# Altium PCB radxa_cm4_io_v1.10.PcbDoc (part 7 of 8)
Units mil, origin at the board's own origin, x right, y up, seen from the top; angles counter-clockwise.
Board outline 6299.62 x 3544.12 mil, 4 copper layers (Top, GND, Power, Bottom), stack 35.4 mil thick; 509 components, 417 nets, 1867 pads, 2150 vias.
Unrouted connection lines stored in the file: 1451.
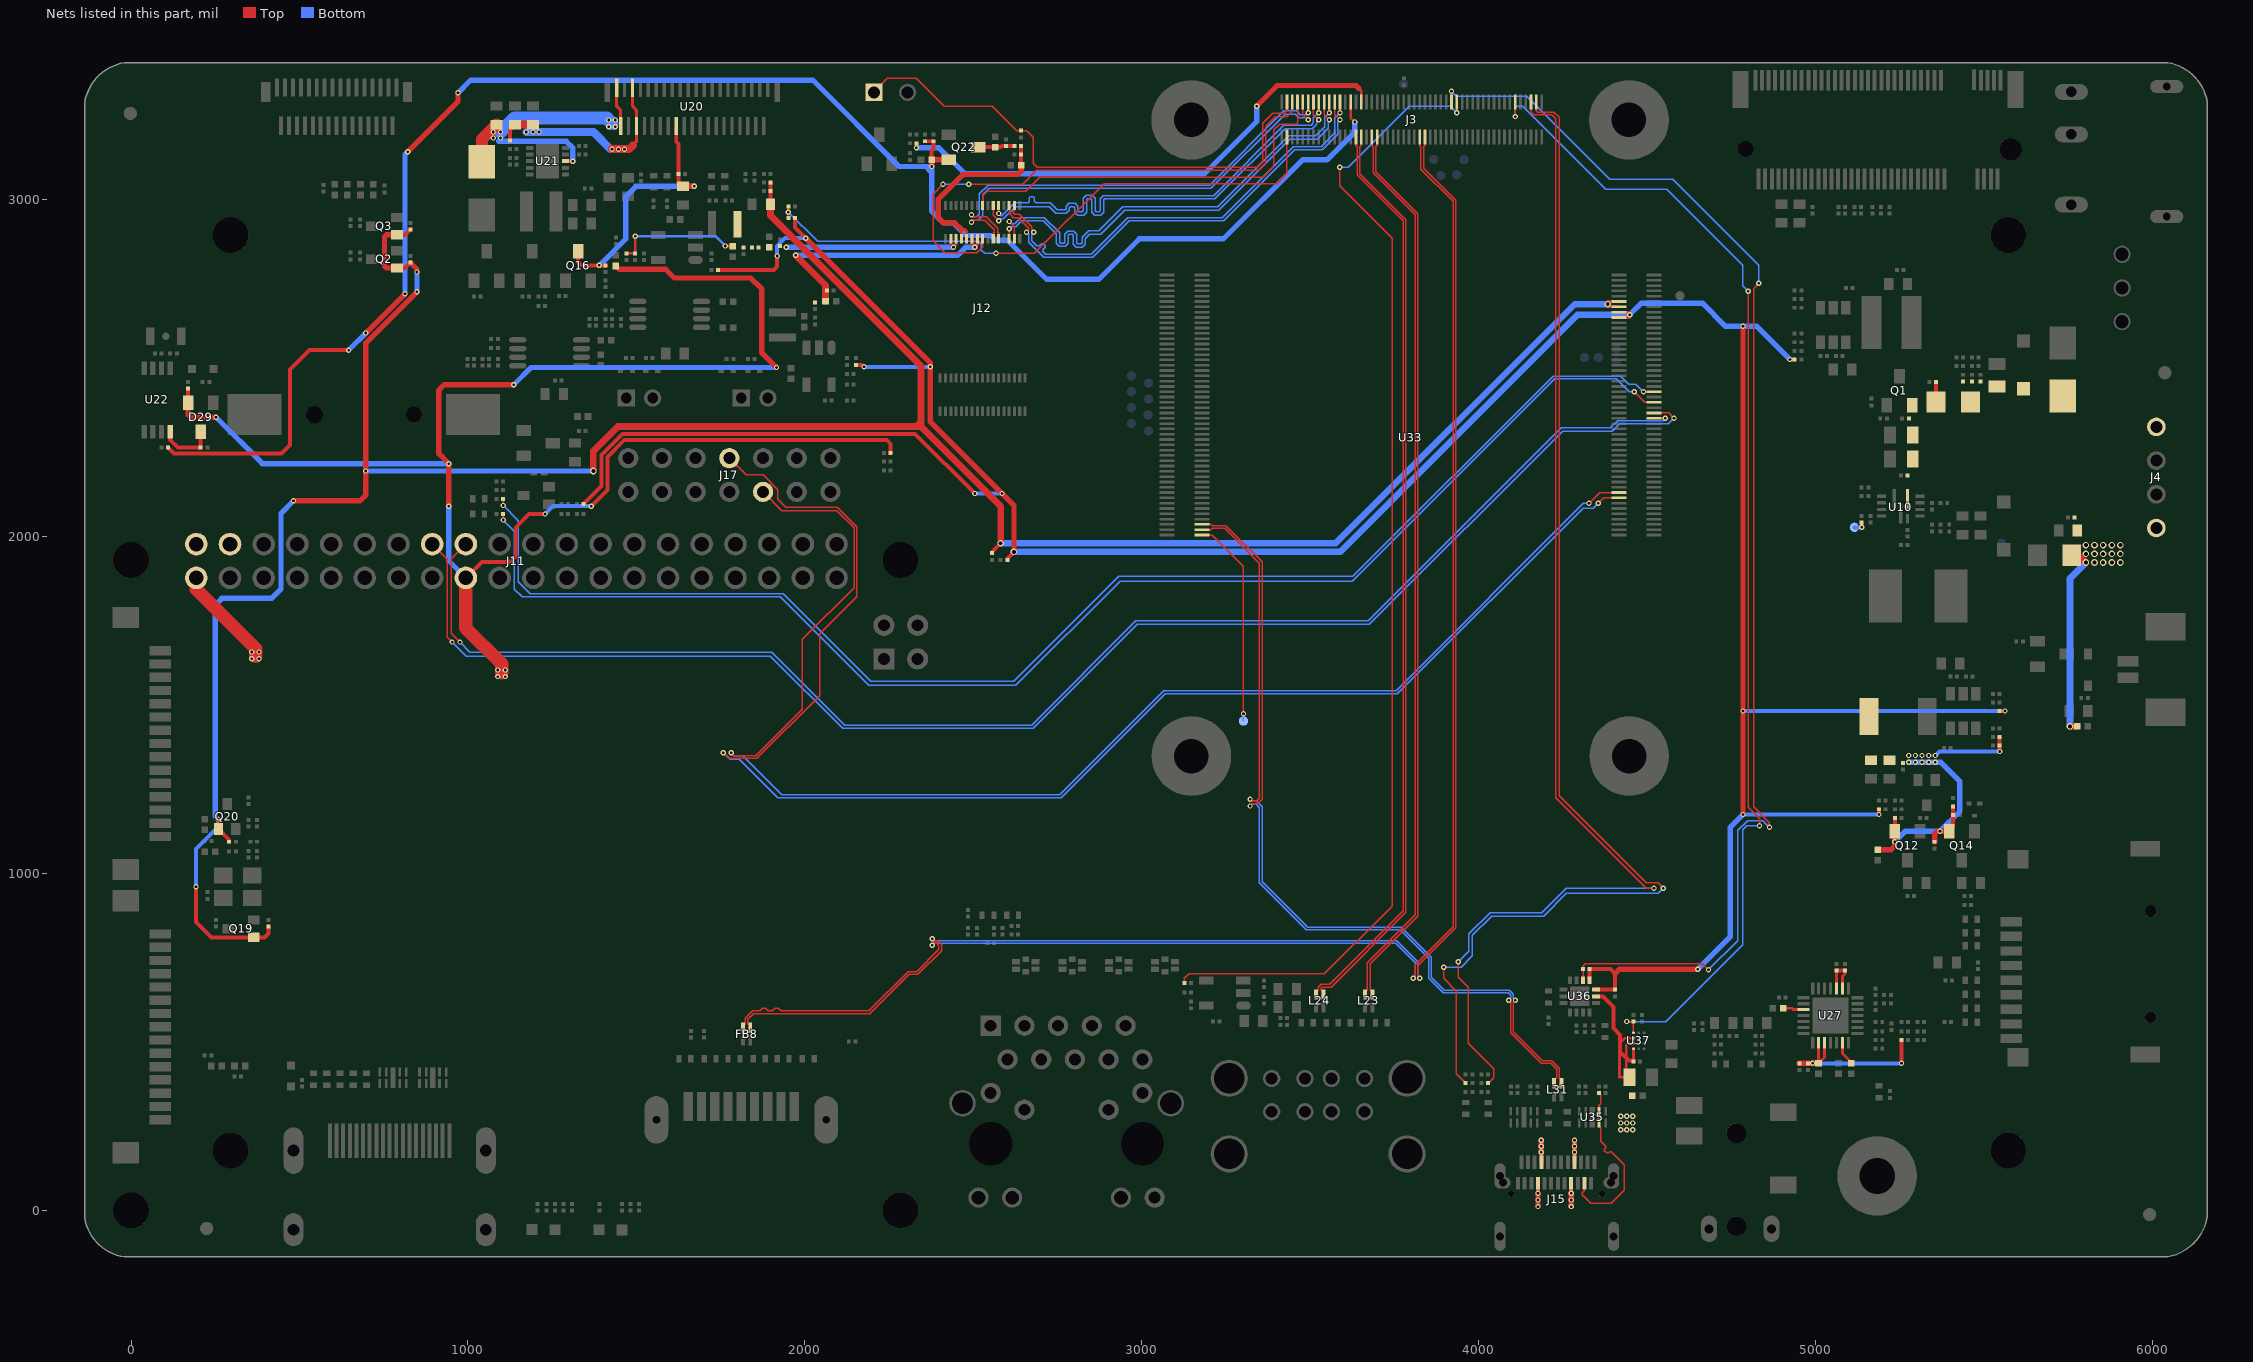
[diagram p9: the nets of this part, all layers, seen from the top]

## Via types
v1: diameter 15.75, hole 7.87, Top to Bottom, 2047 vias
v2: diameter 19.68, hole 11.81, Top to Bottom, 103 vias

## Nets (pads, with @x,y where several pads share a name; then routed paths per layer and width w, separated by ;. In a path a pad name is that pad's centre, name@x,y a point inside that pad or via, vN(x,y) a via of type N, cw(c..) or ccw(c..) an arc to the next point about the centre after c; other vN are vias at no path point) (continued)
TYPEC0TX2P: C254.2 J15.B2 U35.4 U35.7 | length 528.1
  Top w3.94: J15.B2@4312.99,80.71 4312.99,59.06 4307.09,53.15 4307.09,46.57 4332,21.65 4392.41,21.65 4431.1,60.35 4431.1,136.5 4392.63,174.98 4387.52,174.98 4383.5,170.96 4379.32,170.96 4372.36,177.92 4372.36,182.09 4376.85,186.58 4376.85,190.76 4362.2,205.4 4362.2,245.08 4356.29,250.99 U35.4@4356.29,260.34 U35.7@4356.29,294.78 4356.29,311.02 4362.2,316.93 4362.2,342.52 C254.2@4356.3,348.43
TYPEC5V_PWREN_H: J3.11 R355.1 U37.D3 | length 3514.4
  Top w3.94: v1(4107.48,3246.46) 4107.48,3279.1 J3.11@4107.48,3289.77 ; v1(4438.98,561.02) R355.1@4458.66,561.02 U37.D3@4458.66,527.56 ; v1(4799.21,2728.35) 4799.21,1196.85 4832.68,1163.39 v1(4832.68,1141.73)
  Bottom w3.94: v1(4107.48,3246.46) 4107.48,3273.62 4111.42,3277.56 4129.92,3277.56 4375.98,3031.5 4557.09,3031.5 4783.46,2805.12 4783.46,2744.09 v1(4799.21,2728.35) ; v1(4438.98,561.02) 4555.12,561.02 4783.46,789.37 4783.46,1129.92 4795.28,1141.73 v1(4832.68,1141.73)
TYPEC_DPTX_AUX_PUPDCTL1: J3.5 R338.1 | length 3640.9
  Top w3.94: v1(3938.98,738.19) 3938.98,692.91 3968.5,663.39 3968.5,496.06 4043.31,421.26 4043.31,393.7 R338.1@4027.56,377.95 ; J3.5@4154.72,3279.5 4154.72,3259.84 4162.6,3251.97 4216.54,3251.97 4228.35,3240.16 4228.35,1224.41 4496.06,956.69 v1(4519.68,956.69) ; J3.5@4154.73,3279.5 J3.5@4154.73,3289.77
  Bottom w3.94: v1(3938.98,738.19) 3970.47,769.69 3970.47,820.87 4033.46,883.86 4187.01,883.86 4259.84,956.69 v1(4519.68,956.69)
TYPEC_DPTX_AUX_PUPDCTL2: J3.3 R339.1 | length 3693.8
  Top w3.94: v1(3895.67,722.44) 3895.67,688.98 3933.07,651.57 3933.07,405.51 R339.1@3960.63,377.95 ; J3.3@4170.47,3279.9 4170.47,3263.78 4174.41,3259.84 4222.44,3259.84 4238.19,3244.09 4238.19,1230.32 4496.06,972.44 4531.5,972.44 v1(4547.24,956.69) ; J3.3@4170.48,3279.9 J3.3@4170.48,3289.77
  Bottom w3.94: v1(3895.67,722.44) 3946.85,722.44 3980.32,755.91 3980.32,816.93 4037.4,874.02 4192.91,874.02 4259.84,940.94 4531.5,940.94 v1(4547.24,956.69)
UART0_RX_M0_DEBUG: R274.2 U33.51 | length 4142.5
  Top w3.94: v1(1104.33,2049.21) R274.2@1104.33,2066.93 ; v1(4461.02,2429.92) 4492.52,2398.43 U33.51@4520.08,2398.43
  Bottom w3.94: v1(1104.33,2049.21) 1137.8,2015.75 1137.8,1844.49 1161.42,1820.87 1927.17,1820.87 2188.98,1559.06 2625.98,1559.06 2935.04,1868.11 3624.02,1868.11 4224.41,2468.5 4407.48,2468.5 4446.06,2429.92 v1(4461.02,2429.92)
UART0_TX_M0_DEBUG: R273.2 U33.55 | length 4152
  Top w3.94: v1(1104.33,2092.52) R273.2@1104.33,2112.2 ; v1(4488.19,2429.92) U33.55@4520.08,2429.92
  Bottom w3.94: v1(1104.33,2092.52) 1149.61,2047.24 1149.61,1865.98 1184.87,1830.71 1935.04,1830.71 2194.88,1570.87 2620.08,1570.87 2931.1,1881.89 3626.27,1881.89 4220.76,2476.38 4420.43,2476.38 4444.05,2452.76 4465.35,2452.76 v1(4488.19,2429.92)
UART5_RX_M0_1V8: J17.8 U33.16 | length 4476.2
  Top w3.94: v1(1757.87,1358.27) 1773.62,1342.52 1857.59,1342.52 2043.31,1528.23 2043.31,1711.92 2153.54,1822.16 2153.54,2028.85 2095.78,2086.61 1943.59,2086.61 1919.29,2110.91 1919.29,2139.75 1875.97,2183.07 1825.2,2183.07 J17.8@1775.59,2232.68 ; v1(4354.33,2099.21) 4370.08,2114.96 U33.16@4415.35,2114.96
  Bottom w3.94: v1(1757.87,1358.27) 1777.56,1338.58 1805.12,1338.58 1919.29,1224.41 2759.84,1224.41 3068.9,1533.46 3757.87,1533.46 4309.06,2084.65 4339.76,2084.65 v1(4354.33,2099.21)
UART5_TX_M0_1V8: J17.9 U33.18 | length 4243
  Top w3.94: v1(1781.5,1358.27) 1789.37,1350.39 1854.33,1350.39 1992.13,1488.19 1992.13,1694.88 2145.67,1848.43 2145.67,2025.59 2094.49,2076.77 1931.5,2076.77 J17.9@1875.59,2132.68 ; v1(4326.77,2099.21) 4358.27,2130.71 U33.18@4415.35,2130.71
  Bottom w3.94: v1(1781.5,1358.27) 1789.37,1350.39 1814.96,1350.39 1931.1,1234.25 2755.91,1234.25 3064.96,1543.31 3753.94,1543.31 4309.84,2099.21 v1(4326.77,2099.21)
UART7_RX_M0: J11.18 U33.45 | length 4407.7
  Top w3.94: v1(976.38,1687.01) 950.79,1712.6 950.79,1934.65 J11.18@993.7,1977.56 ; U33.45@4520.08,2351.18 v1(4553.15,2351.18)
  Bottom w3.94: v1(976.38,1687.01) 1005.91,1657.48 1901.57,1657.48 2118.11,1440.94 2673.23,1440.94 2982.28,1750 3671.26,1750 4244.09,2322.83 4389.76,2322.83 4411.42,2344.49 4546.46,2344.49 v1(4553.15,2351.18)
UART7_TX_M0: J11.16 U33.47 | length 4493.3
  Top w3.94: J11.16@893.7,1977.56 938.98,1932.28 938.98,1700.79 v1(952.76,1687.01) ; U33.47@4520.08,2366.93 4562.99,2366.93 v1(4578.74,2351.18)
  Bottom w3.94: v1(952.76,1687.01) 994.09,1645.67 1897.64,1645.67 2112.2,1431.1 2677.17,1431.1 2986.22,1740.16 3675.2,1740.16 4248.03,2312.99 4395.67,2312.99 4417.32,2334.65 4562.2,2334.65 v1(4578.74,2351.18)
UFS_FSPI_PLUG: J2.1 J3.97 R15.1 | length 1558.8
  Top w3.94: J2.1@2204.72,3318.5 2204.72,3320.87 2244.09,3360.24 2330.71,3360.24 2413.39,3277.56 2555.12,3277.56 2627.95,3204.72 R15.1@2641.73,3204.72 2657.48,3204.72 2677.17,3185.04 2677.17,3108.27 2688.98,3096.46 3340.55,3096.46 3358.27,3114.17 3358.27,3226.38 3387.8,3255.91 3421.26,3255.91 3430.32,3264.96 3430.32,3279.8 J3.97@3430.32,3289.77
UFS_REFCLK: J3.93 J12.42 | length 1178.7
  Top w3.94: J12.42@2527.17,2982.28 2527.17,3011.81 2540.94,3025.59 2655.51,3025.59 2696.85,3066.93 3360.24,3066.93 3391.73,3098.43 3391.73,3206.69 3409.45,3224.41 3457.87,3224.41 3461.81,3228.35 3461.81,3279.8 J3.93@3461.82,3289.77
UFS_RSTN: J3.95 J12.57 | length 1591.5
  Top w3.94: v1(2409.45,3045.28) 2379.92,3015.75 2379.92,2877.95 2415.35,2842.52 2509.84,2842.52 2527.17,2859.84 J12.57@2527.17,2883.86 ; v1(2486.22,3045.28) 2645.67,3045.28 2687.01,3086.61 3346.46,3086.61 3368.11,3108.27 3368.11,3218.5 3395.67,3246.06 3430.32,3246.06 3446.06,3261.81 3446.06,3278.3 J3.95@3446.07,3289.77
  Bottom w3.94: v1(2409.45,3045.28) v1(2486.22,3045.28)
UFS_RX_D0N: J3.83 J12.62 | length 1334.3
  Top w3.94: J12.62@2605.91,2883.86 2605.91,2913.39 v1(2606.3,2913.39) ; J3.83@3540.56,3289.77 3540.55,3252.36 v1(3556.3,3236.61)
  Bottom w3.94: v1(2606.3,2913.39) 2612.2,2919.29 2625.98,2919.29 2643.7,2937.01 2706.69,2937.01 2745.6,2898.11 2745.6,2869.94 2754.31,2861.22 2772.31,2861.22 2781.03,2869.94 2781.03,2893.7 2783.98,2896.65 2793.82,2896.65 2796.78,2893.7 2796.78,2867.97 2805.49,2859.25 2823.49,2859.25 2832.21,2867.97 2832.21,2883.86 2845.47,2897.12 2877.44,2897.12 2948.82,2968.5 3228.49,2968.5 3439.12,3179.13 3519.69,3179.13 3552.17,3211.61 3552.17,3232.48 v1(3556.3,3236.61)
UFS_RX_D0P: J3.81 J12.63 | length 1343.1
  Top w3.94: v1(2606.3,2935.04) 2621.65,2919.69 J12.63@2621.65,2883.86 ; v1(3556.3,3258.27) J3.81@3556.3,3289.77
  Bottom w3.94: v1(2606.3,2935.04) 2612.2,2929.13 2621.91,2929.13 2639.62,2946.85 2639.76,2946.85 2710.77,2946.85 2755.44,2902.18 2755.44,2874.02 2758.39,2871.06 2768.23,2871.06 2771.19,2874.02 2771.19,2897.78 2779.9,2906.5 2797.9,2906.5 2806.62,2897.78 2806.62,2872.05 2809.57,2869.09 2819.41,2869.09 2822.37,2872.05 2822.37,2887.94 2841.4,2906.96 2871.53,2906.96 2942.91,2978.35 3224.41,2978.35 3435.04,3188.98 3515.61,3188.98 3542.32,3215.69 3542.32,3244.29 v1(3556.3,3258.27)
UFS_RX_D1N: J3.91 J12.59 | length 1344.8
  Top w3.94: v1(2494.09,2933.07) 2500,2938.98 2533.92,2938.98 2561.61,2911.28 2561.61,2902.56 2558.66,2899.61 J12.59@2558.66,2883.86 ; J3.91@3477.56,3289.77 3477.56,3252.36 v1(3493.31,3236.61)
  Bottom w3.94: v1(2494.09,2933.07) 2500,2938.98 2513.78,2938.98 2527.56,2952.76 2527.56,3013.78 2547.24,3033.46 3204.86,3033.46 3425.34,3253.94 3454.58,3253.94 3466,3242.52 3487.4,3242.52 v1(3493.31,3236.61)
UFS_RX_D1P: J3.89 J12.60 | length 1332.9
  Top w3.94: v1(2494.09,2954.72) 2500,2948.82 2537.99,2948.82 2571.46,2915.35 2571.46,2902.56 2574.41,2899.61 J12.60@2574.41,2883.86 ; v1(3493.31,3258.27) J3.89@3493.31,3289.77
  Bottom w3.94: v1(2494.09,2954.72) 2500,2948.82 2509.7,2948.82 2517.72,2956.83 2517.72,3015.75 2517.72,3017.86 2543.17,3043.31 3200.79,3043.31 3421.26,3263.78 3458.66,3263.78 3470.08,3252.36 3487.4,3252.36 v1(3493.31,3258.27)
UFS_TX_D0N: J3.79 J12.37 | length 1337.9
  Top w3.94: J12.37@2605.91,2982.28 2605.91,2966.54 2608.86,2963.58 2608.86,2956.69 2618.7,2946.85 2631.75,2946.85 2663.39,2915.21 2663.39,2909.45 v1(2657.48,2903.54) ; J3.79@3572.05,3289.76 3572.05,3252.36 v1(3587.8,3236.61)
  Bottom w3.94: v1(2657.48,2903.54) 2663.39,2897.64 2663.39,2873.88 2708.52,2828.74 2853.42,2828.74 2961.68,2937.01 3242.27,2937.01 3452.9,3147.64 3535.43,3147.64 3581.69,3193.9 3581.69,3230.51 v1(3587.8,3236.61)
UFS_TX_D0P: J3.77 J12.36 | length 1327.9
  Top w3.94: J12.36@2621.65,2982.28 2621.65,2966.54 2618.7,2963.58 2618.7,2960.77 2622.78,2956.69 2635.83,2956.69 2673.23,2919.29 2673.23,2909.45 v1(2679.13,2903.54) ; v1(3587.8,3258.27) J3.77@3587.8,3289.77
  Bottom w3.94: v1(2679.13,2903.54) 2673.23,2897.64 2673.23,2877.95 2688.01,2863.17 2695.91,2863.17 2702.4,2869.66 2706.57,2869.66 2713.53,2862.7 2713.53,2858.53 2706.17,2851.16 2706.17,2846.98 2714.57,2838.58 2849.34,2838.58 2957.61,2946.85 3238.19,2946.85 3448.82,3157.48 3531.36,3157.48 3571.85,3197.97 3571.85,3242.32 v1(3587.8,3258.27)
UFS_TX_D1N: J3.87 J12.40 | length 1346.4
  Top w3.94: J12.40@2558.66,2982.28 2558.66,2953.15 v1(2574.8,2937.01) ; J3.87@3509.06,3289.77 3509.06,3252.36 v1(3524.8,3236.61)
  Bottom w3.94: v1(2574.8,2937.01) 2580.71,2942.91 2588.58,2942.91 2625,2979.33 2724.34,2979.33 2744.02,2959.65 2775.73,2959.65 2784.45,2968.36 2784.45,2976.38 2787.4,2979.33 2797.24,2979.33 2800.2,2976.38 2800.2,2962.46 2808.92,2953.74 2826.91,2953.74 2835.63,2962.46 2835.63,3000 2838.58,3002.95 2848.43,3002.95 2851.38,3000 2851.38,2962.46 2860.1,2953.74 2878.09,2953.74 2886.81,2962.46 2886.81,2999.02 2889.76,3001.97 3216.68,3001.97 3425.34,3210.63 3505.91,3210.63 3518.7,3223.43 3518.7,3230.51 v1(3524.8,3236.61)
UFS_TX_D1P: J3.85 J12.39 | length 1330.7
  Top w3.94: J12.39@2574.41,2982.28 2574.8,2981.89 v1(2574.8,2958.66) ; v1(3524.8,3258.27) J3.85@3524.81,3289.77
  Bottom w3.94: v1(2574.8,2958.66) 2580.71,2952.76 2584.51,2952.76 2621.91,2990.16 2662.4,2990.16 2665.35,2993.11 2665.35,3006.34 2668.31,3009.29 2678.15,3009.29 2681.1,3006.34 2681.1,2994.65 2685.59,2990.16 2727.43,2990.16 2748.1,2969.49 2771.65,2969.49 2774.61,2972.44 2774.61,2980.45 2783.32,2989.17 2801.32,2989.17 2810.04,2980.45 2810.04,2966.54 2812.99,2963.58 2822.83,2963.58 2825.79,2966.54 2825.79,3004.08 2834.51,3012.8 2852.5,3012.8 2861.22,3004.08 2861.22,2966.54 2864.17,2963.58 2874.02,2963.58 2876.97,2966.54 2876.97,3003.09 2885.69,3011.81 3212.6,3011.81 3421.26,3220.47 3501.83,3220.47 3508.86,3227.5 3508.86,3242.32 v1(3524.8,3258.27)
USB2_OTG0_DM: L31.4 R343.1 U33.103 | length 2487.2
  Top w3.94: U33.103@3178.74,2020.47 3204.72,2020.47 3208.66,2024.41 3245.61,2024.41 3348.43,1921.6 3348.43,1223.73 3339.26,1214.57 3326.77,1214.57 v1(3320.87,1220.47) ; v1(4108.27,624.02) 4102.36,618.11 4102.36,530.82 4188.3,444.88 4215.86,444.88 4238.19,422.55 4238.19,394.69 4245.08,387.8 L31.4@4245.08,382.88 4244.09,382.88 R343.1@4244.09,368.11
  Bottom w3.94: v1(3320.87,1220.47) 3326.77,1214.57 3340.55,1214.57 3356.3,1198.82 3356.3,975.7 3491.45,840.55 3769.68,840.55 3858.27,751.97 3858.27,692.24 3896.96,653.54 4090.55,653.54 4102.36,641.73 4102.36,629.92 v1(4108.27,624.02)
USB2_OTG0_DP: L31.3 R345.1 U33.105 | length 2499.7
  Top w3.94: U33.105@3178.74,2036.22 3204.72,2036.22 3208.66,2032.28 3248.87,2032.28 3356.3,1924.86 3356.3,1220.47 3342.52,1206.69 3326.77,1206.69 v1(3320.87,1200.79) ; v1(4088.58,624.02) 4094.49,618.11 4094.49,527.56 4185.04,437.01 4212.6,437.01 4230.32,419.29 4230.32,394.69 4223.42,387.8 L31.3@4223.42,382.88 4224.41,381.89 R345.1@4224.41,368.11
  Bottom w3.94: v1(3320.87,1200.79) 3326.77,1206.69 3337.29,1206.69 3348.43,1195.56 3348.43,972.44 3488.19,832.68 3766.42,832.68 3850.39,748.71 3850.39,688.98 3893.7,645.67 4087.29,645.67 4094.49,638.47 4094.49,629.92 v1(4088.58,624.02)
USB2_OTG0_ID: P14.1 U33.101 | length 620
  Top w3.94: U33.101@3178.74,2004.72 3208.27,2004.72 3301.18,1911.81 v1(3301.18,1474.41)
  Bottom w3.94: P14.1@3301.18,1452.76 v1(3301.18,1474.41)
USB2_OTG0_VBUSDET: J3.98 R3.1 R4.1 | length 1782.1
  Top w3.94: R3.1@1950.79,2944.88 v1(1950.79,2962.6) R4.1@1950.79,2980.32 ; v1(2566.93,2840.55) 2681.1,2840.55 2887.8,3047.24 3399.61,3047.24 3430.32,3077.95 3430.32,3181 J3.98@3430.32,3185.83
  Bottom w3.94: v1(1950.79,2962.6) 2037.4,2875.98 2515.75,2875.98 2523.62,2868.11 2523.62,2850.39 2533.46,2840.55 v1(2566.93,2840.55)
USB20_1DM: FB8.1 J3.48 R282.2 | length 4844.1
  Top w3.94: R282.2@1816.93,533.46 1816.93,547.24 FB8.1@1815.94,548.23 1822.83,555.12 1822.83,570.53 1844.83,592.52 1866.14,592.52 1874.02,600.39 1883.86,600.39 1891.73,592.52 1903.54,592.52 1911.42,600.39 1921.26,600.39 1929.13,592.52 2189.65,592.52 2305.79,708.66 2331.38,708.66 2397.64,774.92 2397.64,786.11 2390.44,793.31 2383.86,793.31 v1(2377.95,787.4) ; v1(3805.12,688.98) 3811.02,694.88 3811.02,730.19 3923.23,842.4 3923.23,2994.77 3827.95,3090.05 3827.95,3157.48 3824.02,3161.42 3824.02,3180.9 J3.48@3824.02,3185.83
  Bottom w3.94: v1(2377.95,787.4) 2383.86,793.31 3752.64,793.31 3811.02,734.93 3811.02,694.88 v1(3805.12,688.98)
USB20_1DP: FB8.2 J3.46 R283.2 | length 4857.2
  Top w3.94: R283.2@1836.61,533.46 1836.61,547.24 FB8.2@1837.6,548.23 1830.71,555.12 1830.71,567.27 1848.09,584.65 2192.91,584.65 2309.06,700.79 2334.65,700.79 2405.51,771.65 2405.51,789.37 2393.7,801.18 2383.86,801.18 v1(2377.95,807.09) ; v1(3824.8,688.98) 3818.9,694.88 3818.9,726.93 3931.1,839.14 3931.1,2998.03 3835.83,3093.31 3835.83,3157.48 3839.76,3161.42 3839.76,3178 J3.46@3839.77,3185.83
  Bottom w3.94: v1(2377.95,807.09) 2383.86,801.18 3755.91,801.18 3818.9,738.19 3818.9,694.88 v1(3824.8,688.98)
USB20_2DM: J3.66 L23.1 R299.1 | length 2669.8
  Top w3.94: R299.1@3663.39,631.89 3663.39,646.66 L23.1@3662.4,646.66 3669.29,653.55 3669.29,735.54 3811.02,877.28 3811.02,2954.72 3686.22,3079.53 3686.22,3157.48 3682.28,3161.42 3682.28,3179.9 J3.66@3682.29,3185.83
USB20_2DP: J3.64 L23.2 R301.1 | length 2669.2
  Top w3.94: R301.1@3683.07,631.89 3683.07,645.67 L23.2@3684.06,646.66 3677.17,653.55 3677.17,732.28 3818.9,874.02 3818.9,2957.99 3694.09,3082.79 3694.09,3157.48 3698.03,3161.42 3698.03,3179.6 J3.64@3698.04,3185.83
USB20_3DM: J3.72 L24.1 R300.1 | length 2735.4
  Top w3.94: R300.1@3517.72,631.89 3517.72,646.66 L24.1@3516.73,646.66 3523.62,653.55 3523.62,661.42 3523.62,662.71 3532.17,671.26 3533.46,671.26 3557.76,671.26 3775.59,889.09 3775.59,2937.01 3638.98,3073.62 3638.98,3157.48 3635.04,3161.42 3635.04,3179.3 J3.72@3635.04,3185.83
USB20_3DP: J3.70 L24.2 R302.1 | length 2734.8
  Top w3.94: R302.1@3537.4,631.89 3537.4,645.67 L24.2@3538.39,646.66 3531.5,653.55 3531.5,659.45 3535.43,663.39 3561.02,663.39 3783.46,885.83 3783.46,2940.27 3646.85,3076.88 3646.85,3157.48 3650.79,3161.42 3650.79,3176.7 J3.70@3650.79,3185.83
USB_PWR_EN: J3.33 R279.2 | length 3438.3
  Top w3.94: R279.2@3125.98,675.2 3125.98,688.98 3139.76,702.76 3541.34,702.76 3742.13,903.54 3742.13,2885.83 3586.61,3041.34 v1(3586.61,3096.46) ; v1(3934.25,3258.27) 3934.25,3278.5 J3.33@3934.26,3289.77
  Bottom w3.94: v1(3586.61,3096.46) 3612.2,3096.46 3793.31,3277.56 3914.96,3277.56 v1(3934.25,3258.27)
USBCC_INT_L: J3.35 R351.2 U36.5 | length 3839.8
  Top w3.94: J3.35@3918.51,3289.77 3918.51,3300.8 v1(3918.5,3321.26) ; U36.5@4309.06,683.46 R351.2@4309.06,716.54 4309.06,726.38 4314.96,732.28 4663.39,732.28 v1(4681.1,714.57) ; v1(4830.71,2751.97) 4814.96,2736.22 4814.96,1198.82 4862.2,1151.57 v1(4862.2,1137.8)
  Bottom w3.94: v1(3918.5,3321.26) 3932.68,3307.09 4141.73,3307.09 4387.8,3061.02 4574.8,3061.02 4830.71,2805.12 v1(4830.71,2751.97) ; v1(4681.1,714.57) 4767.72,801.18 4767.72,1127.95 4797.24,1157.48 4842.52,1157.48 v1(4862.2,1137.8)
VBUS_TYPEC0: C256.1 J15.A4 J15.A9 J15.B4 J15.B9 R352.2 R353.1 U36.2 U37.A3 U37.B3 U37.C3 | length 863.3
  Top w7.87: R353.1@4458.66,442.91 4458.66,444.88 U37.A3@4458.66,480.32 ; U37.B3@4458.66,496.06 4442.91,496.06 4437.01,490.16 4437.01,415.35 4446.85,405.51 C256.1@4446.85,395.67 4417.32,395.67 4417.32,496.06 4433.07,511.81 U37.C3@4458.66,511.81
  Top w11.81: v1(4175.2,51.18) J15.B9@4175.2,80.71 ; J15.A4@4185.04,143.7 v1(4185.04,173.23) ; v1(4273.62,51.18) J15.B4@4273.62,80.71 ; J15.A9@4283.46,143.7 v1(4283.46,173.23) ; U36.2@4346.85,635.83 4368.11,635.83 4399.61,604.33 4399.61,541.34 4419.29,521.65 4419.29,470.47 4444.88,444.88 R353.1@4458.66,444.88
  Top w15.75: v1(4175.2,11.81) v1(4175.2,51.18) ; v1(4185.04,173.23) v1(4185.04,208.66) ; v1(4273.62,11.81) v1(4273.62,51.18) ; v1(4283.46,173.23) v1(4283.46,208.66)
  other v1: 4175.2,31.5 4273.62,31.5 4185.04,190.94 4283.46,190.94 4421.26,240.16 4438.98,240.16 4456.69,240.16 4421.26,259.84 4438.98,259.84 4456.69,259.84 4421.26,279.53 4438.98,279.53 4456.69,279.53
VCC1V2_UFS_VCCQ_S0: C237.1 C238.1 J12.51 J12.52 R328.2 | length 553.8
  Top w7.87: J12.51@2432.68,2883.86 2432.68,2866.54 v1(2440.94,2858.27) 2448.43,2865.75 J12.52@2448.43,2883.86
  Bottom w15.75: v1(1944.88,2858.27) v1(2440.94,2858.27)
VCC1V8_UFS_VCCQ2_S0: C229.1 C230.1 J12.53 J12.54 R320.2 | length 561
  Top w7.87: J12.53@2464.17,2883.86 2464.17,2911.42 2474.41,2911.42 2479.92,2905.91 J12.54@2479.92,2883.86
  Top w11.81: C229.1@2641.73,3102.36 C230.1@2641.73,3133.86 R320.2@2641.73,3159.45
  Top w15.75: 2464.17,2911.42 2444.49,2931.1 2411.42,2931.1 2395.67,2946.85 2395.67,3001.97 2468.5,3074.8 2631.89,3074.8 2641.73,3084.65 C229.1@2641.73,3102.36
VCC1V8_UFS_VCCQ2_S0_P: C209.1 C226.1 Q22.3 R320.1 | length 109.9
  Top w11.81: Q22.3@2513.78,3155.51 C209.1@2564.96,3155.51 2580.71,3155.51 2584.65,3159.45 C226.1@2596.46,3159.45 R320.1@2622.05,3159.45
VCC3V3_SYS: C156.1 C159.1 C160.1 C164.1 C173.1 D29.2 J11.1 J11.17 L15.2 Q12.2 Q14.2 R16.1 R164.2 R187.1 R206.2 R213.2 R220.2 R231.1 R254.1 | length 6563.5
  Top w3.94: v1(358.27,1637.8) 366.86,1646.39 368.11,1646.39 ; v1(358.27,1657.48) 358.27,1656.23 368.11,1646.39 ; 370.08,1644.98 372.74,1644.98 v1(379.92,1637.8) ; 370.08,1646.39 368.11,1646.39 ; 370.08,1648.62 378.93,1657.48 v1(379.92,1657.48) ; v1(1088.58,1584.65) 1089.84,1584.65 1100.39,1595.19 1100.39,1594.49 ; v1(1088.58,1604.33) 1100.39,1604.33
  Top w11.81: D29.2@169.29,2397.64 R16.1@169.29,2438.98 ; J11.17@993.7,1877.56 1041.34,1925.2 1125.98,1925.2 1141.73,1940.94 1141.73,2027.56 1181.1,2066.93 v1(1228.35,2066.93) ; v1(1366.14,2090.55) 1413.39,2137.8 1413.39,2236.22 1464.57,2287.4 2242.13,2287.4 2253.94,2275.59 R220.2@2253.94,2248.03 ; Q12.2@5234.25,1125.99 R206.2@5234.25,1165.35 ; Q14.2@5395.67,1125.99 5407.48,1137.8 R213.2@5407.48,1173.23 C173.1@5407.48,1198.82 ; v1(5545.28,1362.2) C160.1@5545.28,1379.92 R187.1@5545.28,1405.51